# Altium PCB spd150.PcbDoc (part 7 of 15)
Units mil, origin at the board's own origin, x right, y up, seen from the top; angles counter-clockwise.
Board outline 8557 x 5807 mil, 10 copper layers (TOP, LYR2-PLN, LYR3-SIG, LYR4-SIG, LYR5-PLN, LYR6-PLN, LYR7-SIG, LYR8-SIG, LYR9-PLN, BOTTOM), stack 84 mil thick; 1065 components, 972 nets, 4226 pads, 2810 vias.
Unrouted connection lines stored in the file: 16.
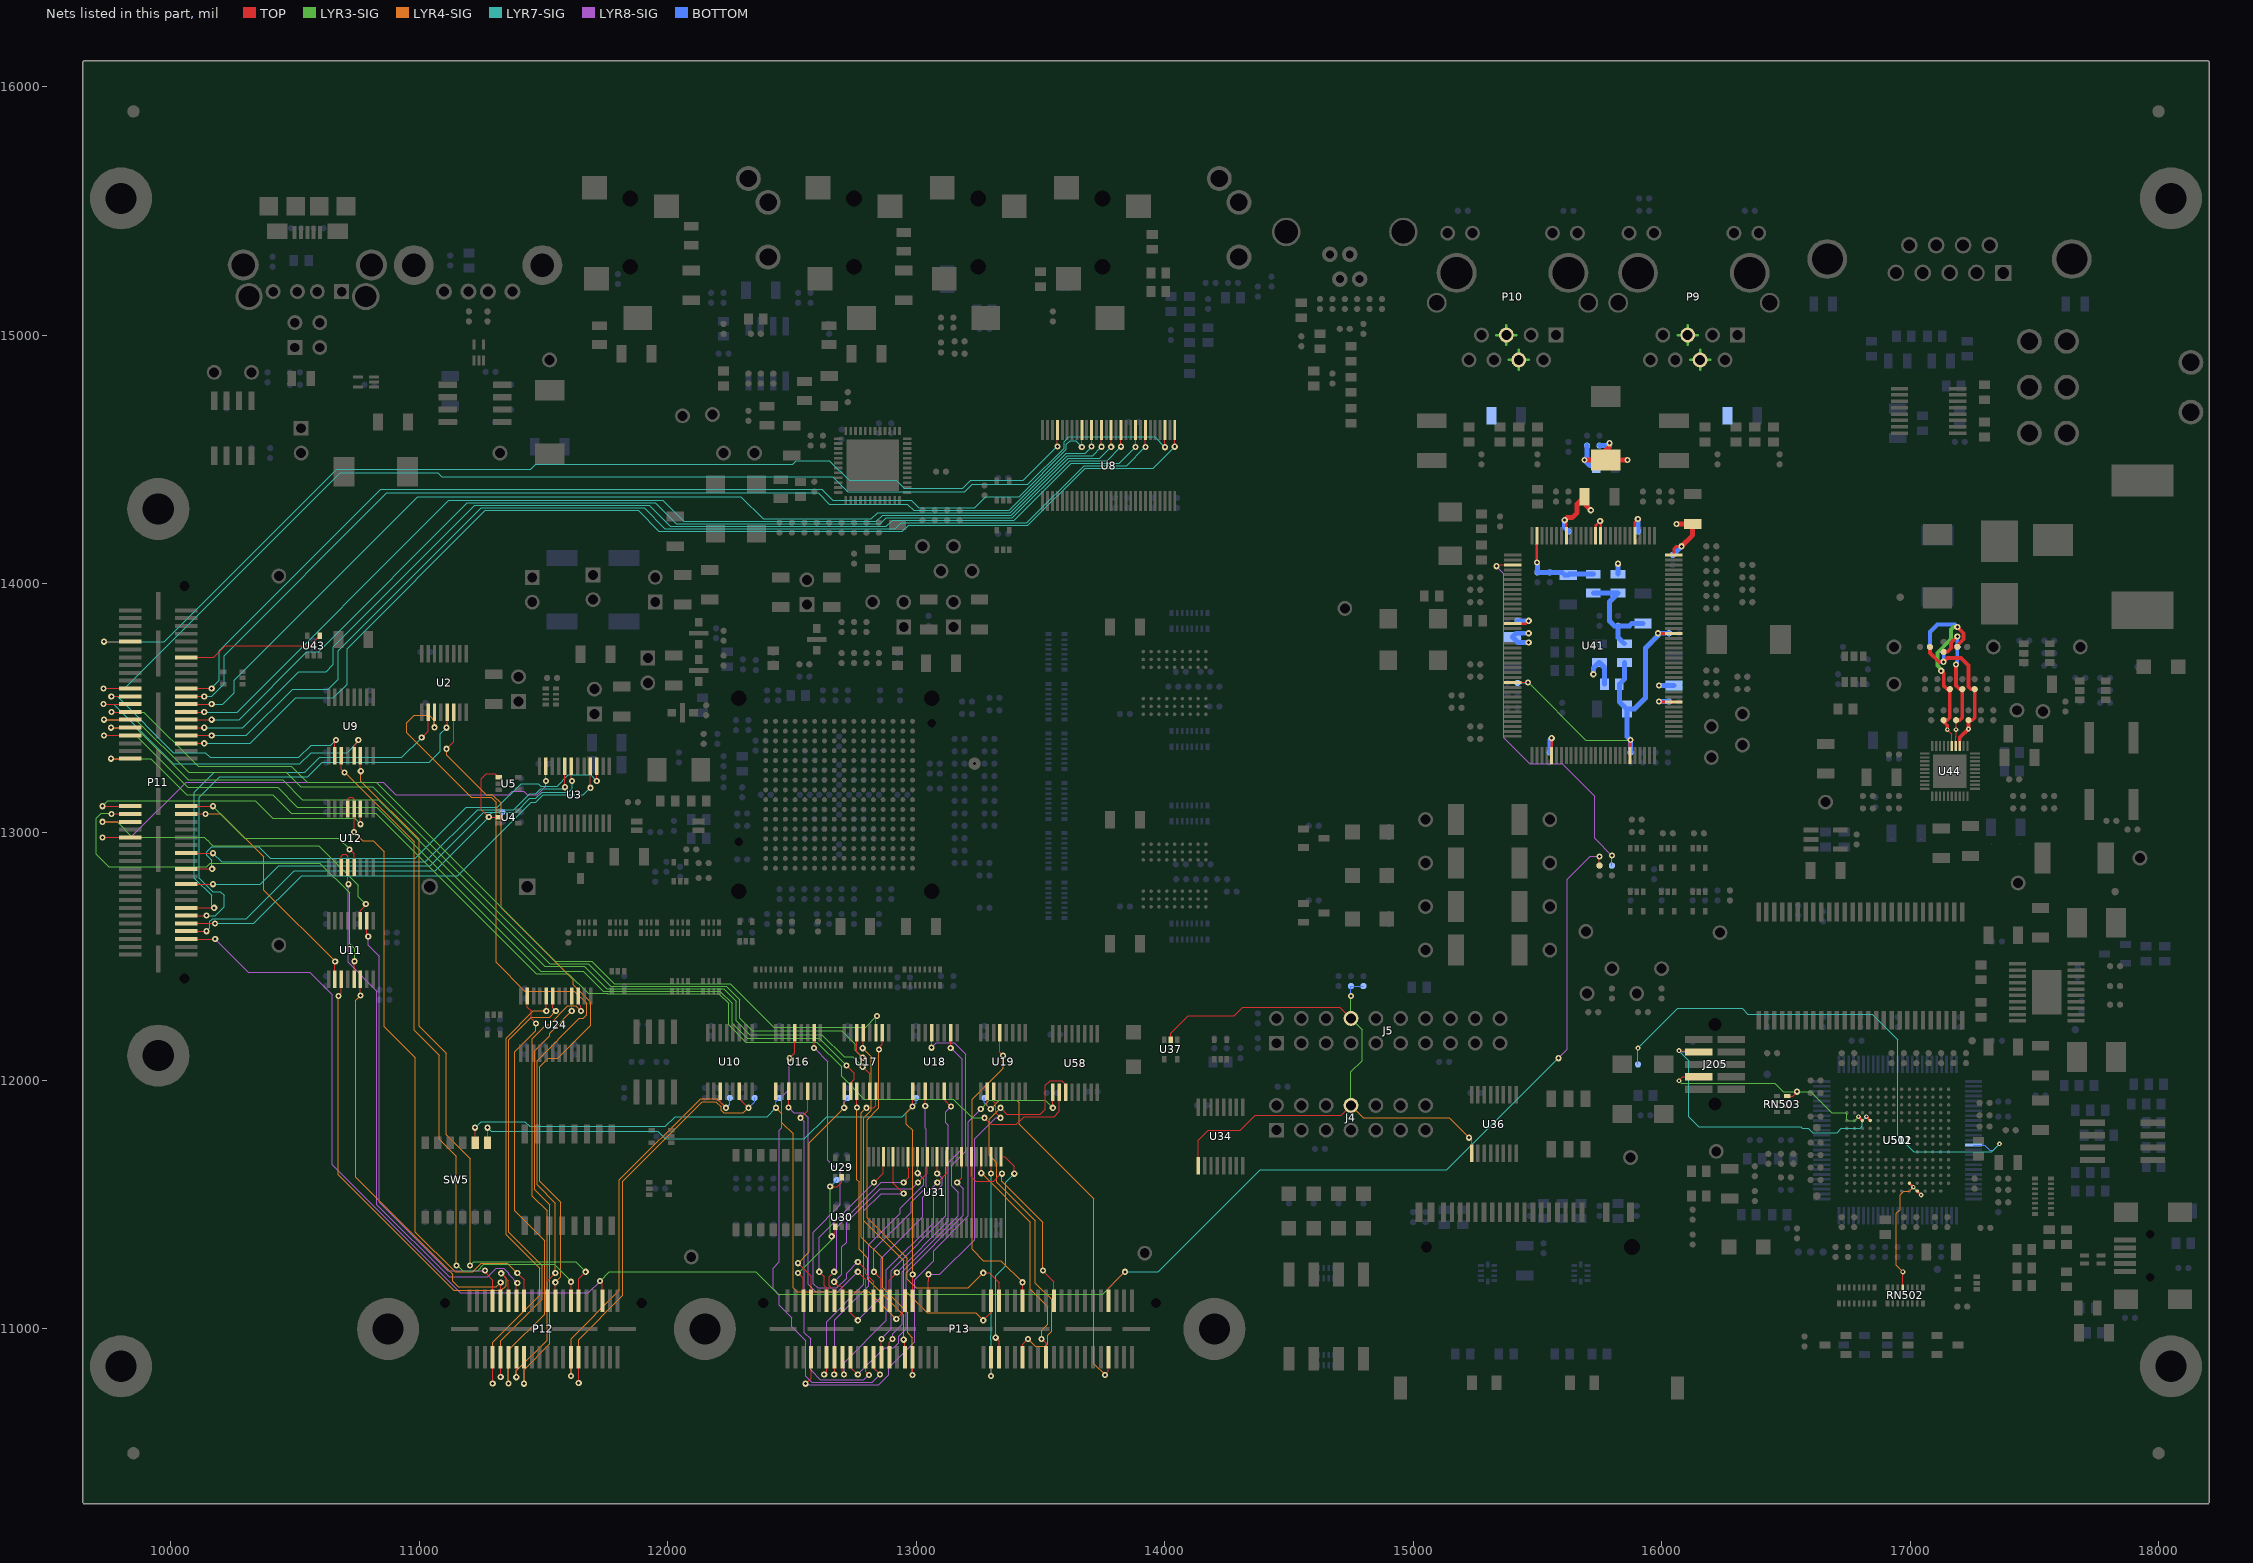
[diagram p15: the nets of this part, all layers, seen from the top]

## Via types
v1: diameter 25, hole 12, TOP to BOTTOM, 2018 vias
v2: diameter 19, hole 8, TOP to BOTTOM, 651 vias
v3: diameter 20, hole 10, TOP to BOTTOM, 120 vias
v4: diameter 22, hole 10, TOP to BOTTOM, 21 vias

## Nets (pads, with @x,y where several pads share a name; then routed paths per layer and width w, separated by ;. In a path a pad name is that pad's centre, name@x,y a point inside that pad or via, vN(x,y) a via of type N, cw(c..) or ccw(c..) an arc to the next point about the centre after c; other vN are vias at no path point) (continued)
EMU05509: J205.4 R514.2 U502.K11 | length 1225.2
  TOP w5: v3(16070,12120) 16145,12120 J205.4@16150,12115
  TOP w10: v2(16823.9,11854.5) U502.K11@16839.7,11838.8
  LYR7-SIG w4: 16645,11789.5 16706.5,11789.5 16715.5,11798.5 16715.5,11799.6 16723.4,11807.5 16798.9,11807.5 16808.4,11817 16808.4,11839 v2(16823.9,11854.5)
  LYR7-SIG w5: v3(16070,12120) 16110,12080 16110,11853.8 16150.3,11813.5 16560.2,11813.5 16566.7,11807 16590,11807 16607.5,11789.5 16645,11789.5
  BOTTOM w5: v3(16070,12120) 16075,12115 R514.2@16125,12115
EMU15509: J205.8 RN503.8 U502.K12 | length 963.1
  TOP w5: v3(16070,11999) 16070,12000 16085,12015 J205.8@16150,12015 ; RN503.8@16505.5,11937.4 16527.4,11937.4 v1(16545,11955)
  TOP w10: v2(16792.4,11854.5) U502.K12@16808.2,11838.8
  LYR3-SIG w4: 16645,11910 16685,11870 16740,11870 16745,11865 16745,11845 16751,11839 16776.9,11839 v2(16792.4,11854.5)
  LYR3-SIG w5: v3(16070,11999) 16079,11990 16455,11990 16490,11955 v1(16545,11955) 16600,11955 16645,11910
EMU_STS: C149.1 J4.8 J5.8 R174.1 U34.1 U36.1 U37.2 | length 2751.6
  TOP w5: U37.2@14025,12164 14025,12190 14095,12260 14280,12260 14315,12295 14705,12295 J5.8@14750,12250 ; U34.1@14135.4,11657.4 14135.4,11760.4 14175,11800 14305,11800 14365,11860 14710,11860 J4.8@14750,11900 ; v1(15225,11770) 15235.4,11759.6 U36.1@15235.4,11707.4
  LYR3-SIG w5: J4.8@14750,11900 14750,12035 14795,12080 14795,12205 J5.8@14750,12250 v1(14750,12340)
  LYR4-SIG w5: J4.8@14750,11900 14800,11850 15145,11850 v1(15225,11770)
  BOTTOM w5: v1(14750,12340) R174.1@14750,12380 C149.1@14800,12380
ENABLE_1V2: C269.1 R329.2 R359.2 R360.2 U44.25 | length 867.5
  TOP w5: v2(17150,13412) 17167.9,13394.1 U44.25@17167.9,13346
  TOP w15: v1(17125,13649) 17135,13639 17135,13590 17150,13575 R329.2@17160,13575 17160,13460 17150,13450 C269.1@17135,13450 17135,13445 17150,13430 v2(17150,13412) ; R360.2@17190,13745 17190,13751 17215,13776 17215,13800 v1(17190,13825)
  LYR3-SIG w15: v1(17125,13649) 17124.9,13654.9 17110,13669.8 17110,13721.6 17165,13776.6 17165,13815 17175,13825 v1(17190,13825)
  BOTTOM w15: R359.2@17080,13745 17080,13805 17110,13835 17180,13835 v1(17190,13825)
ENABLE_1V8: C268.1 R328.2 R361.2 R362.2 U44.24 | length 572.6
  TOP w5: U44.24@17183.6,13346 17183.6,13385 17185,13386.4 v2(17185,13412) C268.1@17185,13450
  TOP w15: R361.2@17135,13725 17150,13725 17165,13740 17165,13762 v1(17190,13787) ; C268.1@17185,13450 17200,13450 17210,13460 R328.2@17210,13575 17200,13575 17185,13590 v1(17185,13674)
  BOTTOM w15: v1(17185,13674) 17190,13679 R362.2@17190,13745 v1(17190,13787)
ENABLE_3V3: C267.1 R327.2 R364.2 R365.2 U44.23 | length 630.2
  TOP w8: U44.23@17199.4,13346 17199.4,13370
  TOP w15: R365.2@17080,13745 17080,13720 17115,13685 v1(17135,13685) 17150,13700 17205,13700 17235,13670 17235,13585 17245,13575 R327.2@17260,13575 17260,13460 17250,13450 C267.1@17235,13450 v2(17235,13415) 17199.4,13379.4 17199.4,13370
  BOTTOM w15: v1(17135,13685) R364.2@17135,13725
ENET_1V2: C212.1 C213.1 L20.1 L22.1 L23.1 | length 456.3
  BOTTOM w20: L22.1@15725,13962 L23.1@15825,13962 15790,13927 15790,13850 15810,13830 C213.1@15825,13830 ; L20.1@15850,13758 15825,13783 C213.1@15825,13830 ; C212.1@15925,13840 15880,13840 15870,13830 C213.1@15825,13830
ENET_RESET: R354.1 U41.67 | length 1541.9
  TOP w5: v1(15335,14070) 15340.1,14075.1 U41.67@15401,14075.1
  LYR8-SIG w5: v1(15335,14070) 15365,14040 15365,13380 15470,13275 15600,13275 15730,13145 15730,12975 v1(15800,12905)
  BOTTOM w5: R354.1@15800,12865 v1(15800,12905)
ENET_VDDA: C220.1 C221.1 C222.1 C223.1 C224.1 L23.2 U41.38 U41.43 U41.57 | length 768.9
  TOP w10: v1(15610,14255) 15616.6,14248.4 U41.57@15616.6,14192 ; U41.43@15892.5,14192 15892.5,14247.3 v1(15904.4,14259.2)
  TOP w12: U41.38@16049,14114.5 16049,14139 16060,14150 v1(16080,14150)
  TOP w20: v1(15610,14255) 15620,14265 15640,14265 15660,14285 15660,14320 C220.1@15690,14350 15695,14345 15695,14315 v1(15715,14295) ; v1(16060,14240) C221.1@16125,14240 16125,14195 v1(16080,14150)
  BOTTOM w20: v1(15610,14255) 15610,14225 C224.1@15625,14210 ; L23.2@15825,14038 v1(15825,14080) ; v1(15904.4,14259.2) 15905,14258.6 C222.1@15905,14210 ; C223.1@16045,14115 v1(16080,14150)
ENET_VDDAP: C217.1 C218.1 C219.1 L22.2 U41.63 | length 378
  TOP w10: v1(15498.4,14085) U41.63@15498.4,14192
  BOTTOM w20: v1(15498.4,14085) 15500,14083.4 C218.1@15500,14045 C219.1@15550,14045 15600,14045 15610,14035 C217.1@15625,14035 15628,14038 L22.2@15725,14038
ENET_VDDATR: C214.1 C215.1 C216.1 C227.1 C231.1 L21.2 P9.4 P9.5 P10.4 P10.5 U41.50 U41.51 | length 1177.8
  TOP w10: U41.51@15734.9,14192 15734.9,14233.9 v1(15753,14252) 15754.6,14250.4 U41.50@15754.6,14192
  TOP w20: v1(15690,14497) C214.1@15775,14497 ; v1(15790,14565) 15790,14550 15775,14535 C214.1@15775,14497 ; v1(15863,14497) C214.1@15775,14497
  LYR3-SIG w10: 15335,15000 P10.5@15375,15000 ; 15375,14960 P10.5@15375,15000 ; 15375,15040 P10.5@15375,15000 ; 15385,14900 P10.4@15425,14900 ; 15415,15000 P10.5@15375,15000 ; 15425,14860 P10.4@15425,14900 ; 15425,14940 P10.4@15425,14900 ; 15465,14900 P10.4@15425,14900 ; 16065,15000 P9.5@16105,15000 ; 16105,14960 P9.5@16105,15000 ; 16105,15040 P9.5@16105,15000 ; 16115,14900 P9.4@16155,14900 ; 16145,15000 P9.5@16105,15000 ; 16155,14860 P9.4@16155,14900 ; 16155,14940 P9.4@16155,14900 ; 16195,14900 P9.4@16155,14900
  BOTTOM w20: C215.1@15700,14555 15700,14507 v1(15690,14497) 15712,14475 L21.2@15737,14475 ; C216.1@15750,14555 15780,14555 v1(15790,14565)
ENET_VDDC: C208.1 C209.1 C210.1 C211.1 L20.2 R290.1 U41.22 U41.91 U41.123 | length 1549.4
  TOP w5: U41.91@15401,13602.2 v1(15462.8,13602.2)
  TOP w12: U41.123@15872.8,13308 15872.8,13367.8 v1(15875,13370) ; v1(15985,13800) 15985.7,13799.3 U41.22@16049,13799.3
  LYR3-SIG w5: v1(15462.8,13602.2) 15695,13370 v1(15875,13370)
  BOTTOM w5: C209.1@15420,13600 15460.6,13600 v1(15462.8,13602.2)
  BOTTOM w20: L20.2@15850,13682 15850,13615 R290.1@15830,13595 15830,13525 C211.1@15860,13495 ; C208.1@15875,13320 v1(15875,13370) 15860,13385 C211.1@15860,13495 ; C210.1@16030,13800 v1(15985,13800) 15985,13790 15935,13740 15935,13540 15890,13495 C211.1@15860,13495
ENET_VDDIO: C201.1 C202.1 C204.1 C205.1 C206.1 L19.2 R290.2 U41.8 U41.79 U41.107 | length 705.2
  TOP w10: U41.79@15401,13838.7 15453.7,13838.7 v1(15465,13850) ; U41.107@15557.5,13308 v1(15557.5,13377.5)
  TOP w12: v1(15989,13525) 15990.6,13523.4 U41.8@16049,13523.4
  BOTTOM w20: C204.1@15420,13850 v1(15465,13850) ; v1(15465,13763) 15422,13763 C202.1@15400,13785 15415,13800 v1(15465,13800) ; C205.1@15550,13320 15550,13370 v1(15557.5,13377.5) ; v1(15725,13635) 15725,13660 15747,13682 L19.2@15750,13682 15770,13662 R290.2@15770,13595 ; v1(15989,13525) C206.1@16030,13525 ; v1(15990,13590) C201.1@16050,13590
EQEP0A: P12.13 U24.15 | length 1843.1
  TOP w5: v1(11391,10806) P12.13@11391,10887 ; U24.15@11639.6,12340 11639.6,12310 11651,12298.6 v1(11651,12280)
  LYR4-SIG w5: v1(11391,10806) 11391,10831 11515,10955 11515,11475 11455,11535 11455,12168.3 11511.7,12225 11523.3,12225 11598.3,12300 11630,12300 11650,12280 v1(11651,12280)
EQEP0B: P12.15 U24.16 | length 1796.2
  TOP w5: v1(11422,10780) P12.15@11422,10887 ; v1(11614,12280) U24.16@11614,12340
  LYR4-SIG w5: v1(11422,10780) 11422,10837 11525,10940 11525,11500 11465,11560 11465,12120 11525,12180 11525,12191 v1(11614,12280)
EXP1_AFSX0: P11.14 U43.4 | length 573.2
  TOP w5: P11.14@10063,13703 10173,13703 10220,13750 10561.6,13750 U43.4@10600.6,13789
EXP1_AMUTE2: P11.39 U58.2 | length 4673
  TOP w5: v1(9760,13295) P11.39@9837,13295 ; v1(13275,11850) 13301.6,11823.4 13403.4,11823.4 13435,11855 13555,11855 13576,11876 U58.2@13576,11952.4
  LYR3-SIG w5: v1(9760,13295) 9920,13295 10065,13150 10410,13150 10485,13075 10825.8,13075 11470.8,12430 11600,12430 11679.8,12350.2 11757.2,12350.2 11757.4,12350 12205,12350 12245,12310 12245,12225 12315,12155 12600,12155 12700,12055 12700,12016.7 12791.7,11925 13150,11925 13225,11850 v1(13275,11850)
EXP1_AXR0_12: P11.27 U17.11 | length 3767.8
  TOP w5: v1(9762,13483) P11.27@9837,13483 ; U17.11@12838.4,12192.6 12838.4,12256.4 v1(12842,12260)
  LYR3-SIG w5: v1(9762,13483) 9892,13483 10110,13265 10485,13265 10550,13200 10826.6,13200 11546.6,12480 11695,12480 11784.8,12390.2 11929.7,12390.2 11929.9,12390 12251,12390 12426,12215 12797,12215 v1(12842,12260)
EXP1_AXR0_13: P11.29 U17.14 | length 3889
  TOP w5: v1(9732,13452) P11.29@9837,13452 ; U17.14@12761.6,12192.6 12761.6,12115.4 v1(12785,12092)
  LYR3-SIG w5: v1(9732,13452) 9860,13452 10072,13240 10465,13240 10522.5,13182.5 10812.5,13182.5 11525.1,12469.9 11680.1,12469.9 11770,12380 12235,12380 12290,12325 12290,12250 12340,12200 12700,12200 12755,12145 12755,12122 v1(12785,12092)
EXP1_AXR0_14: P11.31 U17.5 | length 3823.4
  TOP w5: v1(9760,13420) P11.31@9837,13420 ; v1(12785,12055) 12812.8,12027.2 U17.5@12812.8,11957.4
  LYR3-SIG w5: v1(9760,13420) 9860,13420 10070,13210 10450,13210 10530,13130 10835,13130 11505.1,12459.9 11665.1,12459.9 11754.8,12370.2 11765.6,12370.2 11765.8,12370 12225,12370 12275,12320 12275,12240 12330,12185 12620,12185 12710,12095 12745,12095 v1(12785,12055)
EXP1_AXR0_15: P11.33 U17.2 | length 3813.2
  TOP w5: v1(9731,13389) P11.33@9837,13389 ; v1(12720,12060) 12750,12030 12750,12005 12736,11991 U17.2@12736,11957.4
  LYR3-SIG w5: v1(9731,13389) 9860,13389 10069,13180 10430,13180 10510,13100 10830,13100 11490,12440 11660,12440 11739.8,12360.2 11761.4,12360.2 11761.6,12360 12210,12360 12260,12310 12260,12230 12320,12170 12610,12170 v1(12720,12060)
EXP1_SEL_MCASP1: P11.74 R19.1 U4.2 U5.1 | length 1781.8
  TOP w5: P11.74@10063,12601 v1(10144,12601) ; U4.2@11321,13060 v1(11280,13060) 11250,13090 11250,13215 11270,13235 11306.6,13235 U5.1@11321,13220.6
  LYR7-SIG w5: v1(10144,12601) 10158,12615 10158,12640.3 10169.7,12652 10305,12652 10498,12845 11065,12845 v1(11280,13060)
  BOTTOM w5: v1(11280,13060) 11280,13065 11295,13080 R19.1@11335,13080
EXP1_SPI1_CLK: P11.44 U11.2 | length 995.6
  TOP w5: P11.44@10063,13073 v1(10140,13073) ; U11.2@10661,12407.4 10661,12478 v1(10662,12479)
  LYR4-SIG w5: v1(10140,13073) 10202,13073 10375,12900 10375,12766 v1(10662,12479)
EXP1_SPI1_ENAN: P11.41 U12.11 | length 1256.8
  TOP w5: v1(9726,13104) P11.41@9837,13104 ; v1(10763.4,13031.6) U12.11@10763.4,13092.6
  LYR3-SIG w5: v1(9726,13104) 9747,13125 10340,13125 10410,13055 10740,13055 v1(10763.4,13031.6)
EXP1_SPI1_SCSN: P11.42 U12.5 | length 809
  TOP w5: P11.42@10063,13104 v1(10170,13104) ; v1(10720,12930) 10737.8,12912.2 U12.5@10737.8,12857.4
  LYR3-SIG w5: v1(10170,13104) 10299,12975 10675,12975 v1(10720,12930)
EXP1_SPI1_SIMO: P11.43 U11.5 | length 1744.5
  TOP w5: v1(9762,13073) P11.43@9837,13073 ; U11.5@10737.8,12407.4 10737.8,12477.8 v1(10740,12480)
  LYR3-SIG w5: v1(9762,13073) 9760,13075 9720,13075 9700,13055 9700,12910 9750,12860 10145,12860 10160,12875 10600,12875 10720,12755 10720,12550 10740,12530 v1(10740,12480)
EXP2.SPI0_CLK: P12.11 U24.23 | length 1825
  TOP w5: v1(11359,10781) P12.11@11359,10887 ; U24.23@11434.8,12340 11434.8,12295.2 11450,12280 11450,12250 v1(11470,12230)
  LYR4-SIG w5: v1(11359,10781) 11359,10914 11505,11060 11505,11355 11385,11475 11385,12115 11470,12200 v1(11470,12230)
EXP2.SPI0_SIMO: P12.9 U24.19 | length 1866.2
  TOP w5: v1(11328,10807) P12.9@11328,10887 ; U24.19@11537.2,12340 11537.2,12292.8 v1(11550,12280)
  LYR4-SIG w5: v1(11328,10807) 11328,10953 11495,11120 11495,11255 11417,11333 11416.7,11333 11405,11344.7 11405,11345 11360,11390 11360,12165 11450,12255 11525,12255 v1(11550,12280)
EXP2.SPI0_SOMI: P12.7 U24.20 | length 1896.4
  TOP w5: v1(11296,10781) P12.7@11296,10887 ; v1(11511.6,12280) U24.20@11511.6,12340
  LYR4-SIG w5: v1(11296,10781) 11296,10946 11485,11135 11485,11245 11350,11380 11350,12170 11460,12280 v1(11511.6,12280)
EXP2_SPI1_CLK: P12.12 U11.3 | length 1848.4
  TOP w5: v1(10675,12340) 10686.6,12351.6 U11.3@10686.6,12407.4 ; v1(11330,11224) 11359,11195 P12.12@11359,11113
  LYR4-SIG w5: v1(10675,12340) 10675,11620 11140,11155 11330,11155 11350,11175 11350,11204 v1(11330,11224)
EXP2_SPI1_ENAN: P12.16 U12.12 U12.13 | length 2571.5
  TOP w5: U12.13@10712.2,13092.6 10712.2,13097.2 10715,13100 10715,13135 10720,13140 10730,13140 10737.8,13132.2 U12.12@10737.8,13092.6 v1(10737.8,13000) ; v1(11395,11225) 11422,11198 P12.16@11422,11113
  LYR4-SIG w5: v1(10737.8,13000) 10772.8,12965 10815,12965 10860,12920 10860,12216 10985,12091 10985,11390 11145,11230 11215,11230 11250,11265 11355,11265 v1(11395,11225)
EXP2_SPI1_SCSN: P12.14 U12.3 U12.4 | length 2328.9
  TOP w5: U12.3@10686.6,12857.4 10686.6,12901.6 10695,12910 10705,12910 10712.2,12902.8 U12.4@10712.2,12857.4 10712.2,12792.8 v1(10715,12790) ; P12.14@11391,11113 11391,11181 v1(11395,11185)
  LYR8-SIG w5: v1(10715,12790) 10715,12475 10830,12360 10830,11500 11120,11210 11275,11210 11310,11245 11340,11245 11360,11225 11360,11220 v1(11395,11185)
EXP2_SPI1_SIMO: P12.10 U11.6 | length 1667.9
  TOP w5: v1(10763.4,12341.6) U11.6@10763.4,12407.4 ; P12.10@11328,11113 v1(11328,11187)
  LYR4-SIG w5: v1(10763.4,12341.6) 10745,12323.2 10745,11610 11135,11220 11135,11191.7 11156.7,11170 11311,11170 v1(11328,11187)
EXP2_SPI1_SOMI: P12.8 U11.10 | length 1827.5
  TOP w5: U11.10@10789,12642.6 10789,12586 v1(10795,12580) ; v1(11265,11235) 11265,11228 11296,11197 P12.8@11296,11113
  LYR8-SIG w5: v1(10795,12580) 10795,12545 10840,12500 10840,11510 11115,11235 v1(11265,11235)
EXP2_TMP64P0_IN12: P12.29 R41.2 U10.6 | length 1795.3
  TOP w5: v1(11642,10783) P12.29@11642,10887 ; U10.6@12288.4,11957.4 12288.4,11926.6 v1(12325,11890)
  LYR4-SIG w5: v1(11642,10783) 11642,10957 11820,11135 11820,11595 12140,11915 12194,11915 12215,11894 12215,11880 12225,11870 12305,11870 v1(12325,11890)
  BOTTOM w5: v1(12325,11890) 12350,11915 R41.2@12350,11930
EXP2_TMP64P0_OUT12: P12.27 R43.2 U10.3 | length 1649.9
  TOP w5: v1(11611,10811) P12.27@11611,10887 ; U10.3@12211.6,11957.4 12211.6,11913.4 v1(12235,11890)
  LYR4-SIG w5: v1(11611,10811) 11611,10961 11805,11155 11805,11600 12132.5,11927.5 12197.5,11927.5 v1(12235,11890)
  BOTTOM w5: v1(12235,11890) 12250,11905 R43.2@12250,11930
EXP2_UART1_RXD: P12.28 U9.3 | length 2831.2
  TOP w5: U9.3@10686.6,13307.4 10686.6,13253.4 v1(10700,13240) ; P12.28@11611,11113 v1(11611,11190)
  LYR3-SIG w5: v1(11150,11255) 11155,11255 11175,11235 11235,11235 11260,11260 11543,11260 11611,11192 v1(11611,11190)
  LYR4-SIG w5: v1(10700,13240) 10980,12960 10980,12202 11081,12101 11081,11764 11150,11695 v1(11150,11255)
EXP2_UART1_TXD: P12.30 U9.6 | length 2851.7
  TOP w5: U9.6@10763.4,13307.4 10763.4,13246.6 v1(10765,13245) ; P12.30@11642,11113 11642,11202 v1(11670,11230)
  LYR3-SIG w5: v1(11205,11255) 11220,11270 11630,11270 v1(11670,11230)
  LYR4-SIG w5: v1(10765,13245) 10765,13205 11000,12970 11000,12218 11109,12109 11109,11781 11205,11685 v1(11205,11255)
EXP3_EMIFA_CLK: P13.38 U19.3 | length 1014.8
  TOP w5: P13.38@13049,11113 13049,11194 13050,11195 v1(13050,11220) ; U19.3@13311.6,11957.4 13311.6,11915 13320,11906.6 13320,11870 v1(13340,11850)
  LYR8-SIG w5: v1(13050,11220) 13095,11220 13235,11360 13235,11765 13320,11850 v1(13340,11850)
EXP3_EMIFA_CS3N: P13.51 U58.3 | length 1678.5
  TOP w5: v1(13340,11890) 13365,11865 13500,11865 13520,11885 13520,11980 13540,12000 13585,12000 13601.6,11983.4 U58.3@13601.6,11952.4 ; P13.51@13428,10887 13428,10938 v1(13450,10960)
  LYR4-SIG w5: v1(13340,11890) 13295,11845 13295,11700 13325,11670 13325,11590 13480,11435 13480,11185 13545,11120 13545,10990 13530,10975 13530,10940 13520,10930 13480,10930 v1(13450,10960)
EXP3_EMIFA_OEN: P13.44 U17.13 | length 1589.7
  TOP w5: v1(12785,12130) 12787.2,12132.2 U17.13@12787.2,12192.6 ; v1(13270,11035) 13302,11067 P13.44@13302,11113
  LYR4-SIG w5: v1(12785,12130) 12820,12095 12820,11880 12790,11850 12790,11435 12950,11275 12950,11160 13045,11065 13240,11065 v1(13270,11035)
EXP3_EMIFA_WEN: P13.46 U17.10 | length 1583.3
  TOP w5: v1(12850,12125) 12850,12131 12864,12145 U17.10@12864,12192.6 ; v1(13270,11226) 13294,11226 13334,11186 P13.46@13334,11113
  LYR4-SIG w5: v1(12850,12125) 12850,11890 12803,11843 12803,11447 12965,11285 12965,11200 13000,11165 13209,11165 v1(13270,11226)
EXP3_EMIFA_WEN_DQM0: P13.31 U17.3 | length 1150.5
  TOP w5: v1(12761.6,11891.6) U17.3@12761.6,11957.4 ; v1(12950,10957) 12950,10955 12955,10950 P13.31@12955,10887
  LYR4-SIG w5: v1(12761.6,11891.6) 12761.6,11600 12770,11591.6 12770,11320 12805,11285 12805,11200 12950,11055 v1(12950,10957)
EXP3_EMIFA_WEN_DQM1: P13.33 U17.6 | length 1351.5
  TOP w5: v1(12800,11890) 12830,11890 12838.4,11898.4 U17.6@12838.4,11957.4 ; v1(12985,10815) 12985,10810 12986,10811 P13.33@12986,10887
  LYR4-SIG w5: v1(12800,11890) 12780,11870 12780,11370 12865,11285 12865,11166 12966,11065 12966,10984 12985,10965 v1(12985,10815)
EXP3_SEL_MEM: P13.8 R84.1 U17.1 | length 988.4
  TOP w5: v1(12525,11265) 12577,11213 P13.8@12577,11113 ; v1(12710.4,11890.4) U17.1@12710.4,11957.4
  LYR4-SIG w5: v1(12525,11265) 12570,11310 12570,11750 v1(12710.4,11890.4)
  BOTTOM w5: v1(12710.4,11890.4) 12710.4,11915.4 R84.1@12725,11930
EXP3_SEL_MEM_CTL: P13.7 U58.1 | length 2072.5
  TOP w5: v1(12555,10780) 12577,10802 P13.7@12577,10887 ; v1(13550,11890) 13550,11952 U58.1@13550.4,11952.4
  LYR3-SIG w5: v1(13260,11885) 13295,11920 13520,11920 v1(13550,11890)
  LYR8-SIG w5: v1(12555,10780) 12560,10775 12850,10775 12890,10815 12890,10845 12994,10949 12994,11198.7 13006,11210.7 13006,11211 13070,11275 13070,11315 13210,11455 13210,11835 v1(13260,11885)
EXP3_SEL_MEM_CTL2: P13.73 R89.1 U19.2 | length 1582.9
  TOP w5: U19.2@13286,11957.4 13286,11899 v1(13300,11885) ; v1(13760,10815) 13774,10829 P13.73@13774,10887
  LYR4-SIG w5: v1(13300,11885) 13335,11920 13405,11920 13415,11910 13415,11825 13715,11525 13715,10860 v1(13760,10815)
  BOTTOM w5: R89.1@13275,11930 13275,11910 v1(13300,11885)
EXP3_SEL_MEMD0_7: P13.6 R151.1 U29.2 U30.1 | length 682.9
  TOP w5: v1(12525,11225) 12546,11204 P13.6@12546,11113 ; v1(12654,11573) 12683,11573 12700,11590 U29.2@12700,11611 ; v1(12660,11373) 12674.4,11387.4 U30.1@12674.4,11411
  LYR3-SIG w5: v1(12525,11225) 12660,11360 v1(12660,11373) 12654,11379 v1(12654,11573)
  BOTTOM w5: v1(12654,11573) 12680,11599 R151.1@12680,11600
EXP3_SEL_MEMD8_D11: P13.32 R83.1 SW5.8 U16.1 | length 2741.4
  TOP w5: SW5.8@11225,11750 v1(11225,11810) ; v1(12435.4,11890.4) U16.1@12435.4,11957.4 ; v1(12920,11040) 12955,11075 P13.32@12955,11113
  LYR4-SIG w5: v1(12435.4,11890.4) 12460,11865.8 12460,11830 12505,11785 12505,11165 12520,11150 12810,11150 v1(12920,11040)
  LYR7-SIG w5: v1(11225,11810) 11250,11835 11425,11835 11445,11815 11990,11815 12030,11855 12400,11855 v1(12435.4,11890.4)
  BOTTOM w5: v1(12435.4,11890.4) 12435.4,11915.4 R83.1@12450,11930
EXP3_SEL_MEMD12_D15: P13.34 R88.1 SW5.7 U18.1 | length 2749
  TOP w5: SW5.7@11275,11750 v1(11275,11810) ; v1(12985.4,11896) U18.1@12985.4,11957.4 ; P13.34@12986,11113 v1(12986,11219)
  LYR4-SIG w5: v1(12985.4,11896) 12960,11870.6 12960,11825 12985.4,11799.6 12985.4,11219.6 v1(12986,11219)
  LYR7-SIG w5: v1(11275,11810) 11290,11795 11960,11795 11990,11765 12550,11765 12640,11855 12944.4,11855 v1(12985.4,11896)
  BOTTOM w5: v1(12985.4,11896) 13000,11910.6 R88.1@13000,11930
EXP_ACLKX1: P11.58 U3.15 | length 1995
  TOP w5: P11.58@10063,12852 v1(10167,12852) ; v1(11714.6,13205) U3.15@11714.6,13265
  LYR7-SIG w5: v1(10167,12852) 10165,12854 10165,12887.3 10145,12907.3 10145,12920 10165,12940 10355,12940 10400,12895 10985,12895 11190,13100 11315,13100 11410,13195 11480,13195 11490,13185 11555,13185 11600,13230 11689.6,13230 v1(11714.6,13205)
EXP_AFSX1: P11.54 U3.20 | length 1747
  TOP w5: P11.54@10063,12915 v1(10170,12915) ; v1(11586.6,13180.6) U3.20@11586.6,13265
  LYR7-SIG w5: v1(10170,12915) 10205,12880 11025,12880 11235,13090 11380,13090 11445,13155 11470,13155 11490,13175 11581,13175 v1(11586.6,13180.6)
EXP_AHCLKR0: P11.9 U8.53 | length 4428
  TOP w5: v1(9731,13766) P11.9@9837,13766 ; v1(13568.4,14551.6) U8.53@13568.4,14618
  LYR7-SIG w5: v1(9731,13766) 9975,13766 10669,14460 11449,14460 11470,14481 12504,14481 12518,14495 12650,14495 12730,14415 12920,14415 12952,14383 13188,14383 13220,14415 13431.8,14415 v1(13568.4,14551.6)
EXP_AHCLKX1: P11.49 U3.23 | length 2116.7
  TOP w5: v1(9725,12978) P11.49@9837,12978 ; U3.23@11509.8,13265 11509.8,13205.2 v1(11510,13205)
  LYR8-SIG w5: v1(9725,12978) 9840,12978 10062,13200 10855,13200 10905,13150 11360,13150 11375,13165 11420,13165 11435,13150 11475,13150 11510,13185 v1(11510,13205)
EXP_AXR0[0]: P11.22 U8.48 | length 4240.4
  TOP w5: P11.22@10063,13578 v1(10165,13578) ; v1(13666.8,14550) U8.48@13666.8,14618
  LYR7-SIG w5: v1(10165,13578) 10165,13580 10195,13610 10195,13730 10845,14380 12620,14380 12665,14335 12980,14335 13010,14305 13235,14305 13280,14350 13415,14350 13605,14540 13605,14560 13620,14575 13641.8,14575 v1(13666.8,14550)
EXP_AXR0[1]: P11.24 U8.46 | length 4251.1
  TOP w5: P11.24@10063,13546 v1(10135,13546) ; v1(13706.1,14551.1) U8.46@13706.1,14618
  LYR7-SIG w5: v1(10135,13546) 10165,13546 10215,13596 10215,13710 10870,14365 12605,14365 12650,14320 12965,14320 12990,14295 13374.7,14295 13604.7,14525 13680,14525 v1(13706.1,14551.1)
EXP_AXR0[2]: P11.26 U8.44 | length 4282.8
  TOP w5: P11.26@10063,13515 v1(10165,13515) ; v1(13745.5,14550.5) U8.44@13745.5,14618
  LYR7-SIG w5: v1(10165,13515) 10210,13515 10255,13560 10255,13610 10995,14350 12295,14350 12385,14260 12820,14260 12845,14285 13378.9,14285 13608.9,14515 13710,14515 v1(13745.5,14550.5)
EXP_AXR0[3]: P11.28 U8.42 | length 4301.5
  TOP w5: P11.28@10063,13483 v1(10135,13483) ; v1(13784.8,14550.2) U8.42@13784.8,14618
  LYR7-SIG w5: v1(10135,13483) 10268,13483 11119.3,14334.3 11980.7,14334.3 12065,14250 12840,14250 12865,14275 13383.1,14275 13613.1,14505 13739.6,14505 v1(13784.8,14550.2)
EXP_AXR0[4]: P11.30 U8.40 | length 4353.4
  TOP w5: P11.30@10063,13452 v1(10165,13452) ; v1(13824.2,14550.8) U8.40@13824.2,14618
  LYR7-SIG w5: v1(10165,13452) 10275,13452 10548,13725 10595,13725 11194.3,14324.3 11950.7,14324.3 12035,14240 12855,14240 12880,14265 13387.3,14265 13617.3,14495 13768.4,14495 v1(13824.2,14550.8)
EXP_AXR0[5]: P11.32 U8.37 | length 4467.1
  TOP w5: P11.32@10063,13420 v1(10135,13420) ; v1(13883.2,14550) U8.37@13883.2,14618
  LYR7-SIG w5: v1(10135,13420) 10290,13420 10515,13645 10625,13645 10655,13675 10655,13745 11224.3,14314.3 11925.7,14314.3 12010,14230 12880,14230 12905,14255 13395,14255 13625,14485 13818.2,14485 v1(13883.2,14550)
EXP_AXR0[6]: P11.34 U8.35 | length 4545.7
  TOP w5: P11.34@10063,13389 v1(10165,13389) ; v1(13922.6,14550) U8.35@13922.6,14618
  LYR7-SIG w5: v1(10165,13389) 10305,13389 10491,13575 10635,13575 10675,13615 10675,13730 11249.3,14304.3 11904.9,14304.3 11989.2,14220 12915,14220 12940,14245 13445.8,14245 13675.8,14475 13847.6,14475 v1(13922.6,14550)
EXP_AXR0[7]: P11.36 U8.29 | length 4692.8
  TOP w5: P11.36@10063,13357 v1(10135,13357) ; v1(14040.7,14550.7) U8.29@14040.7,14618
  LYR7-SIG w5: v1(10135,13357) 10320,13357 10503,13540 10655,13540 10710,13595 10710,13737.6 11266.7,14294.3 11880.7,14294.3 11965,14210 12945,14210 12970,14235 13450,14235 13680,14465 13955,14465 v1(14040.7,14550.7)
EXP_AXR0[8]: P11.21 U8.31 | length 4960.7
  TOP w5: v1(9730,13578) P11.21@9837,13578 ; v1(14001.3,14548.7) U8.31@14001.3,14618
  LYR7-SIG w5: v1(9730,13578) 9815,13578 10682,14445 11075,14445 11090,14430 12665,14430 12725,14370 13195,14370 13225,14400 13450,14400 13595,14545 13595,14570 13615,14590 13960,14590 v1(14001.3,14548.7)
EXP_AXR0_9: P11.23 U9.2 | length 1175.1
  TOP w5: v1(9761,13546) P11.23@9837,13546 ; U9.2@10661,13307.4 10661,13366 v1(10665,13370)
  LYR7-SIG w5: v1(9761,13546) 9785,13546 10011,13320 10140,13320 10160,13300 10515,13300 10565,13350 10645,13350 v1(10665,13370)
EXP_AXR0_10: P11.25 U9.5 | length 1343.4
  TOP w5: v1(9730,13515) P11.25@9837,13515 ; U9.5@10737.8,13307.4 10737.8,13347.8 10755,13365 v1(10755,13370)
  LYR7-SIG w5: v1(9730,13515) 9770,13515 10010,13275 10520,13275 10565,13320 10710,13320 10755,13365 v1(10755,13370)
EXP_AXR1[0]: P11.62 U3.19 | length 1802.6
  TOP w5: P11.62@10063,12790 v1(10170,12790) ; U3.19@11612.2,13265 11612.2,13207.8 v1(11615,13205)
  LYR7-SIG w5: v1(10170,12790) 10360,12790 10435,12865 11045,12865 11260,13080 11390,13080 11445,13135 11470,13135 11495,13160 11600,13160 11615,13175 v1(11615,13205)
EXP_AXR1[3]: P11.68 U2.2 | length 1729.4
  TOP w5: P11.68@10063,12695 v1(10175,12695) ; v1(11010,13380) 11036,13406 U2.2@11036,13482.4
  LYR7-SIG w5: v1(10175,12695) 10165,12705 10165,12745 10095,12815 10095,13160 10175,13240 10540,13240 10600,13300 10930,13300 v1(11010,13380)
EXP_AXR1[4]: P11.70 U2.5 | length 1882
  TOP w5: P11.70@10063,12664 v1(10144,12664) ; v1(11110,13420) 11112.8,13422.8 U2.5@11112.8,13482.4
  LYR7-SIG w5: v1(10144,12664) 10180,12664 10215,12699 10215,12745 10200,12760 10170,12760 10115,12815 10115,13140 10197.5,13222.5 10552.5,13222.5 10610,13280 11040,13280 11085,13325 11085,13395 v1(11110,13420)
EXP_AXR1[5]: P11.72 U3.16 | length 1939.2
  TOP w5: P11.72@10063,12632 v1(10178,12632) ; v1(11689,13178) U3.16@11689,13265
  LYR7-SIG w5: v1(10178,12632) 10335,12632 10528,12825 11155,12825 11450,13120 11470,13120 11500,13150 11661,13150 v1(11689,13178)
EXP_EMIFA_A1: P13.60 U31.35 | length 821.2
  TOP w5: U31.35@13222.6,11693 13222.6,11612.4 13240,11595 13311.4,11595 13341.4,11625 v1(13345,11625) ; v1(13510,11235) 13554,11191 P13.60@13554,11113
  LYR4-SIG w5: v1(13345,11625) 13345,11595 13510,11430 v1(13510,11235)
EXP_EMIFA_A2: P13.57 U31.33 | length 935.4
  TOP w5: v1(13262,11627) U31.33@13262,11693 ; v1(13505,10960) 13523,10942 P13.57@13523,10887
  LYR4-SIG w5: v1(13262,11627) 13263,11627 13460,11430 13460,11160 13530,11090 13530,11020 13505,10995 v1(13505,10960)
EXP_EMIFA_CS0N: P13.52 U19.13 | length 1262.4
  TOP w5: U19.13@13337.2,12192.6 13337.2,12112.8 v1(13350,12100) ; P13.52@13428,11113 v1(13428,11188)
  LYR4-SIG w5: v1(13350,12100) 13350,12050 13225,11925 13225,11320 13270,11275 13341,11275 v1(13428,11188)
EXP_EMIFA_CS4N: P13.43 U31.31 | length 959.3
  TOP w5: v1(13301.3,10811.3) 13301.3,10886.3 P13.43@13302,10887 ; v1(13301.3,11626.3) U31.31@13301.3,11693
  LYR7-SIG w5: v1(13301.3,10811.3) 13301.3,10955.4 13300,10956.7 13300,10973.3 13302,10975.3 13302,11625.6 v1(13301.3,11626.3)
EXP_EMIFA_CS5N: P13.45 U31.29 | length 874.9
  TOP w5: v1(13320,10965) 13334,10951 P13.45@13334,10887 ; U31.29@13340.7,11693 13357,11693 13395,11655 v1(13395,11625)
  LYR7-SIG w5: v1(13320,10965) 13320,11215 13360,11255 13360,11590 v1(13395,11625)
EXP_EMIFA_D0: P13.12 U31.53 | length 699.5
  TOP w5: v1(12610,11230) 12630,11210 12630,11175 12640,11165 P13.12@12640,11113 ; v1(12830,11589) 12868.4,11627.4 U31.53@12868.4,11693
  LYR8-SIG w5: v1(12610,11230) 12610,11369 v1(12830,11589)
EXP_EMIFA_D1: P13.11 U31.51 | length 1152.9
  TOP w5: v1(12630,10817) 12630,10820 12640,10830 P13.11@12640,10887 ; U31.51@12907.7,11693 12907.7,11587.3 v1(12950,11545)
  LYR8-SIG w5: v1(12630,10817) 12640,10827 12640,11030 12790,11180 12790,11475 12860,11545 v1(12950,11545)
EXP_EMIFA_D2: P13.14 U31.48 | length 775.7
  TOP w5: v1(12670,11230) 12650,11210 12650,11175 12672,11153 P13.14@12672,11113 ; v1(12950,11590) 12970,11610 12970,11645 12966.8,11648.2 U31.48@12966.8,11693
  LYR8-SIG w5: v1(12670,11230) 12680,11240 12680,11410 12860,11590 v1(12950,11590)
EXP_EMIFA_D3: P13.13 U31.46 | length 1105.8
  TOP w5: v1(12670,10817) 12670,10820 12672,10822 P13.13@12672,10887 ; v1(13006.1,11627.1) U31.46@13006.1,11693
  LYR8-SIG w5: v1(12670,10817) 12672,10819 12672,11037 12810,11175 12810,11340 12935,11465 12935,11485 13030,11580 13030,11603.2 v1(13006.1,11627.1)
EXP_EMIFA_D4: P13.16 U31.44 | length 830
  TOP w5: v1(12670,11190) 12685,11175 12695,11175 12703,11167 P13.16@12703,11113 ; v1(13008,11590) 13045.5,11627.5 U31.44@13045.5,11693
  LYR8-SIG w5: v1(12670,11190) 12700,11220 12700,11330 12720,11350 12720,11430 12855,11565 12983,11565 v1(13008,11590)
EXP_EMIFA_D5: P13.15 U31.42 | length 1126.7
  TOP w5: P13.15@12703,10887 12703,10827 12710,10820 v1(12710,10817) ; v1(13084.8,11626.2) U31.42@13084.8,11693
  LYR8-SIG w5: v1(12710,10817) 12710,10865 12880,11035 12880,11238 13070,11428 13070,11555 13080,11565 13090,11565 13105,11580 13105,11606 v1(13084.8,11626.2)
EXP_EMIFA_D6: P13.18 U31.40 | length 897.2
  TOP w5: P13.18@12735,11113 12735,11065 v1(12765,11035) ; v1(13085,11589) 13124.2,11628.2 U31.40@13124.2,11693
  LYR8-SIG w5: v1(12765,11035) 12860,11130 12860,11285 13027,11452 13027,11531 v1(13085,11589)
EXP_EMIFA_D7: P13.17 U31.37 | length 1174.9
  TOP w5: P13.17@12735,10887 12735,10847 v1(12765,10817) ; v1(13165,11589) 13184.2,11608.2 13184.2,11649 13183.2,11650 U31.37@13183.2,11693
  LYR8-SIG w5: v1(12765,10817) 12873,10925 12910,10925 12930,10945 12930,10970 12960,11000 12960,11227 13190,11457 13190,11564 v1(13165,11589)
EXP_EMIFA_D8: P13.22 U16.3 | length 1207.2
  TOP w5: v1(12486.6,11891.6) U16.3@12486.6,11957.4 ; v1(12765,11230) 12797,11198 P13.22@12797,11113
  LYR8-SIG w5: v1(12486.6,11891.6) 12508.2,11870 12545,11870 12565,11850 12565,11180 12595,11150 12685,11150 v1(12765,11230)
EXP_EMIFA_D9: P13.21 U16.6 | length 1488
  TOP w5: v1(12535,11850) 12563.4,11878.4 U16.6@12563.4,11957.4 ; P13.21@12797,10887 12797,10828 v1(12810,10815)
  LYR8-SIG w5: v1(12535,11850) 12550,11835 12550,10985 12575,10960 12575,10835 12615,10795 12790,10795 v1(12810,10815)
EXP_EMIFA_D10: P13.24 U16.10 | length 1525.2
  TOP w5: v1(12589,12131) U16.10@12589,12192.6 ; v1(12765,11270) 12797.5,11237.5 12797.5,11221.5 12829,11190 P13.24@12829,11113
  LYR8-SIG w5: v1(12589,12131) 12645,12075 12645,11680 12695,11630 12695,11500 12585,11390 12585,11183 12603,11165 12680,11165 12720,11205 12720,11225 v1(12765,11270)
EXP_EMIFA_D11: P13.23 U16.13 | length 1876.9
  TOP w5: v1(12490,12090) 12512.2,12112.2 U16.13@12512.2,12192.6 ; P13.23@12829,10887 12829,10843 v1(12855,10817)
  LYR8-SIG w5: v1(12490,12090) 12490,11965 12460,11935 12460,11810 12450,11800 12450,11270 12425,11245 12425,11161.7 12450,11136.7 12450,11095 12500,11045 12500,11008.3 12555,10953.3 12555,10810 12580,10785 12823,10785 v1(12855,10817)
EXP_EMIFA_D12: P13.26 U18.3 | length 945.2
  TOP w5: v1(12830,11230) 12860,11200 P13.26@12860,11113 ; v1(13036.6,11897.6) U18.3@13036.6,11957.4
  LYR8-SIG w5: v1(12830,11230) 12830,11320 12980,11470 12980,11510 13040,11570 13040,11805 13036.6,11808.4 v1(13036.6,11897.6)
EXP_EMIFA_D13: P13.25 U18.6 | length 1205.7
  TOP w5: P13.25@12860,10887 v1(12860,10960) ; U18.6@13113.4,11957.4 13113.4,11921.6 v1(13140,11895)
  LYR8-SIG w5: v1(12860,10960) 12900,11000 12900,11235 13120,11455 13120,11715 13130,11725 13130,11820 13120,11830 13120,11875 v1(13140,11895)
EXP_EMIFA_D14: P13.28 U18.10 | length 1220
  TOP w5: P13.28@12892,11113 12892,11197 v1(12922,11227) ; v1(13139,12131) U18.10@13139,12192.6
  LYR8-SIG w5: v1(12922,11227) 13130,11435 13130,11670 13185,11725 13185,12085 v1(13139,12131)
EXP_EMIFA_D15: P13.27 U18.13 | length 1592.5
  TOP w5: P13.27@12892,10887 12892,10947 v1(12905,10960) ; v1(13062.2,12132.2) U18.13@13062.2,12192.6
  LYR8-SIG w5: v1(12905,10960) 12905,10980 12945,11020 12945,11230 13170,11455 13170,11550 13143.6,11576.4 13143.6,11658.6 13200,11715 13200,12105 13154,12151 13081,12151 v1(13062.2,12132.2)
EXP_EQEP1A: P12.22 U2.3 | length 3147
  TOP w5: v1(11061.6,13421.6) U2.3@11061.6,13482.4 ; P12.22@11516,11113 11516,11193 v1(11548,11225)
  LYR4-SIG w5: v1(11061.6,13421.6) 11061.6,13448.4 11040,13470 10980,13470 10950,13440 10950,13400 11210,13140 11290,13140 11310,13120 11310,12475 11425,12360 11625,12360 11675,12310 11675,12265 11660,12250 11645,12250 11475,12080 11475,11580 11548,11507 v1(11548,11225)
EXP_EQEP1B: P12.24 U2.6 | length 2787.7
  TOP w5: v1(11110,13335) 11138.4,13363.4 U2.6@11138.4,13482.4 ; P12.24@11548,11113 v1(11548,11188)
  LYR4-SIG w5: v1(11110,13335) 11110,13310 11270,13150 11295,13150 11330,13115 11330,12695 11620,12405 11620,12385 11690,12315 11690,12221.7 11558.3,12090 11520,12090 11485,12055 11485,11595 11570,11510 11570,11210 v1(11548,11188)
EXP_RESETN: P11.76 P12.36 P13.74 R357.1 | length 8146.8
  TOP w5: P11.76@10063,12569 v1(10179,12569) ; v1(11728,11193) 11737,11184 P12.36@11737,11113 ; P13.74@13774,11113 13774,11164 v1(13840,11230) ; R357.1@15750,12865 v1(15750,12902)
  LYR3-SIG w5: v1(11728,11193) 11765,11230 12355,11230 12445,11140 13750,11140 v1(13840,11230)
  LYR7-SIG w5: v1(13840,11230) 13975,11230 14385,11640 15135,11640 v1(15585,12090)
  LYR8-SIG w5: v1(10179,12569) 10313,12435 10560,12435 10650,12345 10650,11660 11165,11145 11680,11145 v1(11728,11193) ; v1(15585,12090) 15620,12125 15620,12810 15712,12902 v1(15750,12902)
EXP_SPI1_SOMI: P11.45 U11.11 | length 1410
  TOP w5: v1(9726,13041) P11.45@9837,13041 ; U11.11@10763.4,12642.6 10763.4,12683.4 10785,12705 v1(10785,12710)
  LYR3-SIG w5: v1(9726,13041) 9784,13041 9845,12980 10135,12980 10148,12967 10148.3,12967 10160,12955.3 10160,12955 10170,12945 10595,12945 10755,12785 10755,12740 v1(10785,12710)
FPGA_CLKIN: R617.1 U511.39 | length 2189.1
  LYR7-SIG w4: 16950,12070 16950,11777.9 17015,11712.9 17252.9,11712.9
  LYR7-SIG w5: v3(15905,12130) 16065,12290 16325,12290 16347.5,12267.5 16847.5,12267.5 16950,12165 16950,12070 ; 17252.9,11712.9 17327.9,11712.9 v2(17360,11745)
  BOTTOM w5: R617.1@15905,12065 v3(15905,12130) ; U511.39@17255,11740.3 17300,11740.3 17320.3,11720 17335,11720 v2(17360,11745)
FSR0: RN502.13 U502.A5 U502.B6 | length 545.4
  TOP w5: RN502.13@16970.2,11167 16970.2,11229 v3(16971.2,11230)
  TOP w10: U502.B6@16997.3,11586.7 v2(17013,11570.9) ; U502.A5@17028.8,11555.2 v2(17044.5,11539.4)
  LYR4-SIG w4: 16945,11455 16945,11465 16960,11480 16960,11540 16975,11555 16997.1,11555 v2(17013,11570.9)
  LYR4-SIG w5: 16945,11455 16945,11256.2 v3(16971.2,11230)
  BOTTOM w5: v2(17013,11570.9) v2(17044.5,11539.4)

## Text inside footprints (layer, text, board x,y; h text height)
R198: PIN_NUMBER "2" at 13167,14295 h20 r270; PIN_NUMBER "1" at 13167,14255 h20 r270; ASSEMBLY_BOTTOM "USERPART#" at 13025,14275 h25 r270; ASSEMBLY_BOTTOM "TOLERANCE" at 13075,14275 h25 r270; ASSEMBLY_BOTTOM "NO-POP" at 13175,14275 h25 r270; SYMBOL_PART_DIM "0" at 13162,14183 h25 r270; SYMBOL_PART_DIM "0" at 13091,14267 h25 r270; SYMBOL_PART_DIM "C402-35X32" at 13037,14152 h25 r270; SYMBOL_PART_DIM "PAD 35X32 OV" at 12987,14152 h25 r270
R199: PIN_NUMBER "2" at 13117,14295 h20 r270; PIN_NUMBER "1" at 13117,14255 h20 r270; ASSEMBLY_BOTTOM "USERPART#" at 12975,14275 h25 r270; ASSEMBLY_BOTTOM "TOLERANCE" at 13025,14275 h25 r270; ASSEMBLY_BOTTOM "NO-POP" at 13125,14275 h25 r270; SYMBOL_PART_DIM "0" at 13112,14183 h25 r270; SYMBOL_PART_DIM "0" at 13041,14267 h25 r270; SYMBOL_PART_DIM "C402-35X32" at 12987,14152 h25 r270; SYMBOL_PART_DIM "PAD 35X32 OV" at 12937,14152 h25 r270
R200: PIN_NUMBER "1" at 13067,14255 h20 r270; PIN_NUMBER "2" at 13067,14295 h20 r270; ASSEMBLY_BOTTOM "USERPART#" at 12925,14275 h25 r270; ASSEMBLY_BOTTOM "TOLERANCE" at 12975,14275 h25 r270; ASSEMBLY_BOTTOM "NO-POP" at 13075,14275 h25 r270; SYMBOL_PART_DIM "0" at 13062,14183 h25 r270; SYMBOL_PART_DIM "0" at 12991,14267 h25 r270; SYMBOL_PART_DIM "C402-35X32" at 12937,14152 h25 r270; SYMBOL_PART_DIM "PAD 35X32 OV" at 12887,14152 h25 r270
R201: PIN_NUMBER "1" at 13017,14255 h20 r90; PIN_NUMBER "2" at 13017,14295 h20 r90; ASSEMBLY_TOP "USERPART#" at 13175,14275 h25 r90; ASSEMBLY_TOP "TOLERANCE" at 13125,14275 h25 r90; ASSEMBLY_TOP "NO-POP" at 13025,14275 h25 r90; SYMBOL_PART_DIM "0" at 13038,14183 h25 r90; SYMBOL_PART_DIM "0" at 13109,14267 h25 r90; SYMBOL_PART_DIM "C402-35X32" at 13163,14152 h25 r90; SYMBOL_PART_DIM "PAD 35X32 OV" at 13213,14152 h25 r90
R202: PIN_NUMBER "2" at 12692,14205 h20 r90; PIN_NUMBER "1" at 12692,14245 h20 r90; ASSEMBLY_BOTTOM "USERPART#" at 12850,14225 h25 r90; ASSEMBLY_BOTTOM "TOLERANCE" at 12800,14225 h25 r90; ASSEMBLY_BOTTOM "20K" at 12700,14225 h25 r90; SYMBOL_PART_DIM "0" at 12713,14317 h25 r90; SYMBOL_PART_DIM "0" at 12784,14233 h25 r90; SYMBOL_PART_DIM "C402-35X32" at 12838,14348 h25 r90; SYMBOL_PART_DIM "PAD 35X32 OV" at 12888,14348 h25 r90
R203: PIN_NUMBER "2" at 12792,14245 h20 r90; PIN_NUMBER "1" at 12792,14205 h20 r90; ASSEMBLY_TOP "USERPART#" at 12950,14225 h25 r90; ASSEMBLY_TOP "TOLERANCE" at 12900,14225 h25 r90; ASSEMBLY_TOP "NO-POP" at 12800,14225 h25 r90; SYMBOL_PART_DIM "0" at 12813,14133 h25 r90; SYMBOL_PART_DIM "0" at 12884,14217 h25 r90; SYMBOL_PART_DIM "C402-35X32" at 12938,14102 h25 r90; SYMBOL_PART_DIM "PAD 35X32 OV" at 12988,14102 h25 r90
R204: PIN_NUMBER "2" at 13167,14255 h20 r270; PIN_NUMBER "1" at 13167,14295 h20 r270; ASSEMBLY_TOP "USERPART#" at 13025,14275 h25 r270; ASSEMBLY_TOP "TOLERANCE" at 13075,14275 h25 r270; ASSEMBLY_TOP "NO-POP" at 13175,14275 h25 r270; SYMBOL_PART_DIM "0" at 13162,14367 h25 r270; SYMBOL_PART_DIM "0" at 13091,14283 h25 r270; SYMBOL_PART_DIM "C402-35X32" at 13037,14398 h25 r270; SYMBOL_PART_DIM "PAD 35X32 OV" at 12987,14398 h25 r270
R205: PIN_NUMBER "2" at 13117,14255 h20 r270; PIN_NUMBER "1" at 13117,14295 h20 r270; ASSEMBLY_TOP "USERPART#" at 12975,14275 h25 r270; ASSEMBLY_TOP "TOLERANCE" at 13025,14275 h25 r270; ASSEMBLY_TOP "NO-POP" at 13125,14275 h25 r270; SYMBOL_PART_DIM "0" at 13112,14367 h25 r270; SYMBOL_PART_DIM "0" at 13041,14283 h25 r270; SYMBOL_PART_DIM "C402-35X32" at 12987,14398 h25 r270; SYMBOL_PART_DIM "PAD 35X32 OV" at 12937,14398 h25 r270
R206: PIN_NUMBER "2" at 13067,14255 h20 r270; PIN_NUMBER "1" at 13067,14295 h20 r270; ASSEMBLY_TOP "USERPART#" at 12925,14275 h25 r270; ASSEMBLY_TOP "TOLERANCE" at 12975,14275 h25 r270; ASSEMBLY_TOP "2K" at 13075,14275 h25 r270; SYMBOL_PART_DIM "0" at 13062,14367 h25 r270; SYMBOL_PART_DIM "0" at 12991,14283 h25 r270; SYMBOL_PART_DIM "C402-35X32" at 12937,14398 h25 r270; SYMBOL_PART_DIM "PAD 35X32 OV" at 12887,14398 h25 r270
R207: PIN_NUMBER "2" at 13017,14255 h20 r90; PIN_NUMBER "1" at 13017,14295 h20 r90; ASSEMBLY_BOTTOM "USERPART#" at 13175,14275 h25 r90; ASSEMBLY_BOTTOM "TOLERANCE" at 13125,14275 h25 r90; ASSEMBLY_BOTTOM "2K" at 13025,14275 h25 r90; SYMBOL_PART_DIM "0" at 13038,14367 h25 r90; SYMBOL_PART_DIM "0" at 13109,14283 h25 r90; SYMBOL_PART_DIM "C402-35X32" at 13163,14398 h25 r90; SYMBOL_PART_DIM "PAD 35X32 OV" at 13213,14398 h25 r90
R208: PIN_NUMBER "2" at 12792,14205 h20 r90; PIN_NUMBER "1" at 12792,14245 h20 r90; ASSEMBLY_BOTTOM "USERPART#" at 12950,14225 h25 r90; ASSEMBLY_BOTTOM "TOLERANCE" at 12900,14225 h25 r90; ASSEMBLY_BOTTOM "2K" at 12800,14225 h25 r90; SYMBOL_PART_DIM "0" at 12813,14317 h25 r90; SYMBOL_PART_DIM "0" at 12884,14233 h25 r90; SYMBOL_PART_DIM "C402-35X32" at 12938,14348 h25 r90; SYMBOL_PART_DIM "PAD 35X32 OV" at 12988,14348 h25 r90
R209: PIN_NUMBER "2" at 12542,14245 h20 r90; PIN_NUMBER "1" at 12542,14205 h20 r90; ASSEMBLY_TOP "USERPART#" at 12700,14225 h25 r90; ASSEMBLY_TOP "TOLERANCE" at 12650,14225 h25 r90; ASSEMBLY_TOP "22" at 12550,14225 h25 r90; SYMBOL_PART_DIM "0" at 12563,14133 h25 r90; SYMBOL_PART_DIM "0" at 12634,14217 h25 r90; SYMBOL_PART_DIM "C402-35X32" at 12688,14102 h25 r90; SYMBOL_PART_DIM "PAD 35X32 OV" at 12738,14102 h25 r90
R210: PIN_NUMBER "1" at 12492,14245 h20 r270; PIN_NUMBER "2" at 12492,14205 h20 r270; ASSEMBLY_TOP "USERPART#" at 12350,14225 h25 r270; ASSEMBLY_TOP "TOLERANCE" at 12400,14225 h25 r270; ASSEMBLY_TOP "22" at 12500,14225 h25 r270; SYMBOL_PART_DIM "0" at 12487,14317 h25 r270; SYMBOL_PART_DIM "0" at 12416,14233 h25 r270; SYMBOL_PART_DIM "C402-35X32" at 12362,14348 h25 r270; SYMBOL_PART_DIM "PAD 35X32 OV" at 12312,14348 h25 r270
R211: PIN_NUMBER "2" at 14157,15210 h20; PIN_NUMBER "1" at 14197,15210 h20; ASSEMBLY_BOTTOM "USERPART#" at 14185,15060 h25; ASSEMBLY_BOTTOM "TOLERANCE" at 14185,15110 h25; ASSEMBLY_BOTTOM "2.2K" at 14185,15210 h25; SYMBOL_PART_DIM "0" at 14277,15197 h25; SYMBOL_PART_DIM "0" at 14193,15126 h25; SYMBOL_PART_DIM "C402-35X32" at 14308,15072 h25; SYMBOL_PART_DIM "PAD 35X32 OV" at 14308,15022 h25
R212: PIN_NUMBER "2" at 12309,15065 h40 r180; PIN_NUMBER "1" at 12369,15065 h40 r180; ASSEMBLY_TOP "1" at 12380,15080 h40 r180; ASSEMBLY_TOP "X" at 12350,15080 h40 r180; ASSEMBLY_TOP "X" at 12315,15080 h40 r180; SYMB_DIM "PAD 35X45OV" at 12170,14990 h40 r180; SYMB_DIM "SM  43X53OV" at 12170,15050 h40 r180; SYMB_DIM "SP  35X45OV" at 12170,15120 h40 r180; SYMB_DIM "R603-35X45" at 12565,14875 h40 r180; SYMB_DIM "0" at 12375,15205 h40 r180; SYMB_DIM "0" at 12500,15085 h40 r180
R213: PIN_NUMBER "1" at 14017,14980 h20 r270; PIN_NUMBER "2" at 14017,15020 h20 r270; ASSEMBLY_BOTTOM "USERPART#" at 13875,15000 h25 r270; ASSEMBLY_BOTTOM "TOLERANCE" at 13925,15000 h25 r270; ASSEMBLY_BOTTOM "10K 1%" at 14025,15000 h25 r270; SYMBOL_PART_DIM "0" at 14012,14908 h25 r270; SYMBOL_PART_DIM "0" at 13941,14992 h25 r270; SYMBOL_PART_DIM "C402-35X32" at 13887,14877 h25 r270; SYMBOL_PART_DIM "PAD 35X32 OV" at 13837,14877 h25 r270
R214: PIN_NUMBER "2" at 14167,15145 h20 r270; PIN_NUMBER "1" at 14167,15105 h20 r270; ASSEMBLY_BOTTOM "USERPART#" at 14025,15125 h25 r270; ASSEMBLY_BOTTOM "TOLERANCE" at 14075,15125 h25 r270; ASSEMBLY_BOTTOM "10K 1%" at 14175,15125 h25 r270; SYMBOL_PART_DIM "0" at 14162,15033 h25 r270; SYMBOL_PART_DIM "0" at 14091,15117 h25 r270; SYMBOL_PART_DIM "C402-35X32" at 14037,15002 h25 r270; SYMBOL_PART_DIM "PAD 35X32 OV" at 13987,15002 h25 r270
R215: PIN_NUMBER "1" at 12217,15005 h20 r90; PIN_NUMBER "2" at 12217,15045 h20 r90; ASSEMBLY_TOP "USERPART#" at 12375,15025 h25 r90; ASSEMBLY_TOP "TOLERANCE" at 12325,15025 h25 r90; ASSEMBLY_TOP "20K" at 12225,15025 h25 r90; SYMBOL_PART_DIM "0" at 12238,14933 h25 r90; SYMBOL_PART_DIM "0" at 12309,15017 h25 r90; SYMBOL_PART_DIM "C402-35X32" at 12363,14902 h25 r90; SYMBOL_PART_DIM "PAD 35X32 OV" at 12413,14902 h25 r90
R216: PIN_NUMBER "2" at 14367,15195 h20 r270; PIN_NUMBER "1" at 14367,15155 h20 r270; ASSEMBLY_BOTTOM "USERPART#" at 14225,15175 h25 r270; ASSEMBLY_BOTTOM "TOLERANCE" at 14275,15175 h25 r270; ASSEMBLY_BOTTOM "NO-POP" at 14375,15175 h25 r270; SYMBOL_PART_DIM "0" at 14362,15083 h25 r270; SYMBOL_PART_DIM "0" at 14291,15167 h25 r270; SYMBOL_PART_DIM "C402-35X32" at 14237,15052 h25 r270; SYMBOL_PART_DIM "PAD 35X32 OV" at 14187,15052 h25 r270
R217: PIN_NUMBER "2" at 14287,15210 h20 r180; PIN_NUMBER "1" at 14247,15210 h20 r180; ASSEMBLY_BOTTOM "USERPART#" at 14275,15360 h25 r180; ASSEMBLY_BOTTOM "TOLERANCE" at 14275,15310 h25 r180; ASSEMBLY_BOTTOM "0" at 14275,15210 h25 r180; SYMBOL_PART_DIM "0" at 14183,15223 h25 r180; SYMBOL_PART_DIM "0" at 14267,15294 h25 r180; SYMBOL_PART_DIM "C402-35X32" at 14152,15348 h25 r180; SYMBOL_PART_DIM "PAD 35X32 OV" at 14152,15398 h25 r180
R218: PIN_NUMBER "2" at 12237,14925 h20 r180; PIN_NUMBER "1" at 12197,14925 h20 r180; ASSEMBLY_BOTTOM "USERPART#" at 12225,15075 h25 r180; ASSEMBLY_BOTTOM "TOLERANCE" at 12225,15025 h25 r180; ASSEMBLY_BOTTOM "10K" at 12225,14925 h25 r180; SYMBOL_PART_DIM "0" at 12133,14938 h25 r180; SYMBOL_PART_DIM "0" at 12217,15009 h25 r180; SYMBOL_PART_DIM "C402-35X32" at 12102,15063 h25 r180; SYMBOL_PART_DIM "PAD 35X32 OV" at 12102,15113 h25 r180
R219: PIN_NUMBER "2" at 12317,14845 h20 r90; PIN_NUMBER "1" at 12317,14805 h20 r90; ASSEMBLY_TOP "USERPART#" at 12475,14825 h25 r90; ASSEMBLY_TOP "TOLERANCE" at 12425,14825 h25 r90; ASSEMBLY_TOP "10K" at 12325,14825 h25 r90; SYMBOL_PART_DIM "0" at 12338,14733 h25 r90; SYMBOL_PART_DIM "0" at 12409,14817 h25 r90; SYMBOL_PART_DIM "C402-35X32" at 12463,14702 h25 r90; SYMBOL_PART_DIM "PAD 35X32 OV" at 12513,14702 h25 r90
R220: PIN_NUMBER "2" at 12217,15170 h20 r270; PIN_NUMBER "1" at 12217,15130 h20 r270; ASSEMBLY_BOTTOM "USERPART#" at 12075,15150 h25 r270; ASSEMBLY_BOTTOM "TOLERANCE" at 12125,15150 h25 r270; ASSEMBLY_BOTTOM "0" at 12225,15150 h25 r270; SYMBOL_PART_DIM "0" at 12212,15058 h25 r270; SYMBOL_PART_DIM "0" at 12141,15142 h25 r270; SYMBOL_PART_DIM "C402-35X32" at 12087,15027 h25 r270; SYMBOL_PART_DIM "PAD 35X32 OV" at 12037,15027 h25 r270
R221: PIN_NUMBER "2" at 12517,15170 h20 r270; PIN_NUMBER "1" at 12517,15130 h20 r270; ASSEMBLY_BOTTOM "USERPART#" at 12375,15150 h25 r270; ASSEMBLY_BOTTOM "TOLERANCE" at 12425,15150 h25 r270; ASSEMBLY_BOTTOM "0" at 12525,15150 h25 r270; SYMBOL_PART_DIM "0" at 12512,15058 h25 r270; SYMBOL_PART_DIM "0" at 12441,15142 h25 r270; SYMBOL_PART_DIM "C402-35X32" at 12387,15027 h25 r270; SYMBOL_PART_DIM "PAD 35X32 OV" at 12337,15027 h25 r270